# Altium PCB BMS_Carrier_Board.PcbDoc (part 1 of 2) (continued)
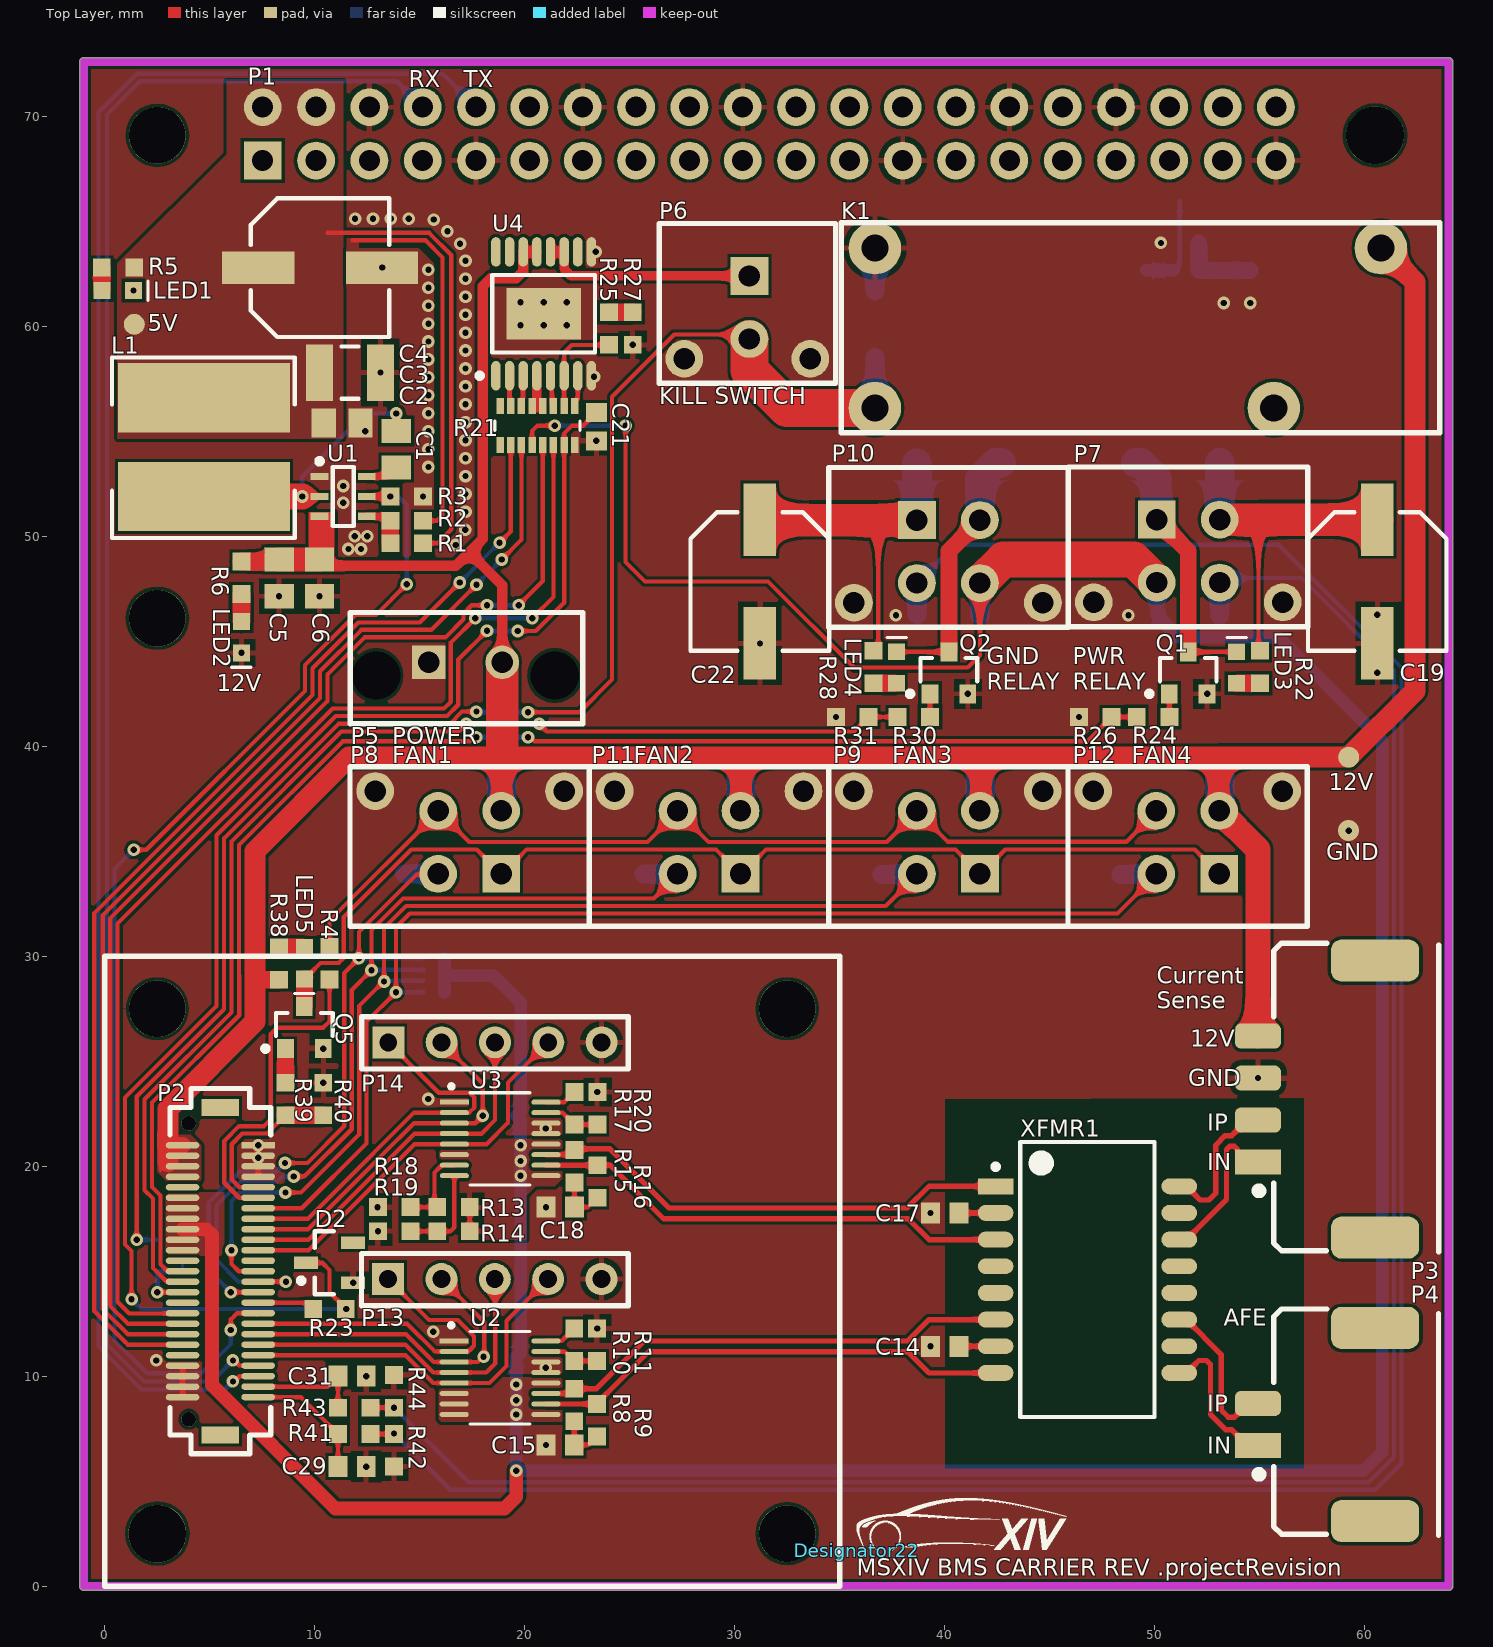
[diagram p0: Top Layer view]
## Components (designator, comment, footprint, x,y, rotation, side; value= is the part's Value field where it differs from the comment) (continued)
R7 "2K" "RES, 0603" 18.847,10.925 r180 bottom
R8 "62R" "RES, 0603" 22.357,8.63 r270 top
R9 "62R" "RES, 0603" 23.448,7.899 r270 top
R10 "RES 1.4k OHM 1% 1/10W 0603" "RES, 0603" 22.357,11.5 r270 top
R11 "RES 604 OHM 1% 1/10W 0603" "RES, 0603" 23.448,11.5 r90 top
R12 "2K" "RES, 0603" 18.825,22.4 r180 bottom
R13 "RES 0.0 OHM 1/4W 0603" "RES, 0603" 16.605,18.05 r180 top
R14 "RES 0.0 OHM 1/4W 0603" "RES, 0603" 16.605,16.9 r180 top
R15 "62R" "RES, 0603" 22.364,20.005 r270 top
R16 "62R" "RES, 0603" 23.456,19.275 r270 top
R17 "RES 1.4k OHM 1% 1/10W 0603" "RES, 0603" 22.364,22.758 r270 top
R18 "RES 0.0 OHM 1/4W 0603" "RES, 0603" 13.785,18.05 r180 top
R19 "RES 0.0 OHM 1/4W 0603" "RES, 0603" 13.785,16.9 r180 top
R20 "RES 604 OHM 1% 1/10W 0603" "RES, 0603" 23.456,22.758 r90 top
R21 "RES ARRAY 4K7 OHM 5% 8RES" "RES ARRAY, 8 POS 1506" 20.605,55.273 r90 top
R22 "RES 4.7K OHM 1% 1/10W 0603" "RES, 0603" 55.023,43.775 r270 top
R23 "RES 0.0 OHM 1/4W 0603" "RES, 0603" 10.7,13.2 r0 top
R24 "RES 22.1 OHM 1% 1/10W 0603" "RES, 0603" 49.925,41.4 r0 top
R25 "RES 3.3K OHM 1% 1/4W 0603" "RES, 0603" 24.004,59.9 r90 top
R26 "RES 10K OHM 1% 1/10W 0603" "RES, 0603" 47.175,41.4 r180 top
R27 "2K" "RES, 0603" 25.14,59.9 r270 top
R28 "RES 4.7K OHM 1% 1/10W 0603" "RES, 0603" 36.603,43.775 r270 top
R29 "RES 10 OHM 1% 16W 2512" RES2512 50.3,57.3 r180 bottom
R30 "RES 22.1 OHM 1% 1/10W 0603" "RES, 0603" 38.525,41.4 r0 top
R31 "RES 10K OHM 1% 1/10W 0603" "RES, 0603" 35.6,41.4 r180 top
R32 "RES 26.1K OHM 1% 1/10W 0603" "RES, 0603" 2.445,15.725 r270 bottom
R33 "RES 100K OHM 5% 1/8W 0603" "RES, 0603" 50.9,61.89 r270 bottom
R34 "RES 100K OHM 5% 1/8W 0603" "RES, 0603" 52.1,61.89 r90 bottom
R35 "RES 10K OHM 1% 1/10W 0603" "RES, 0603" 3.7,15.775 r90 bottom
R36 "RES 100K OHM 5% 1/8W 0603" "RES, 0603" 53.29,61.89 r270 bottom
R37 "10K" "RES ARRAY 4 POS 0804" 14.675,28.839 r180 bottom
R38 "RES 4.7K OHM 1% 1/10W 0603" "RES, 0603" 8.299,29.655 r90 top
R39 "RES 22.1 OHM 1% 1/10W 0603" "RES, 0603" 8.6,23.2 r270 top
R40 "RES 10K OHM 1% 1/10W 0603" "RES, 0603" 10.4,23.2 r90 top
R41 "1K" "RES, 0603" 11.875,7.241 r0 top
R42 "RES 10K OHM 1% 1/10W 0603" "RES, 0603" 13.775,6.466 r270 top
R43 "1K" "RES, 0603" 11.875,8.5 r0 top
R44 "RES 10K OHM 1% 1/10W 0603" "RES, 0603" 13.775,9.275 r90 top
U1 "IC REG BUCK 4.5V TO 17V, 5A, SYNCHRONOUS STE" "IC REG BUCK 4.5V TO 17V, 5A" 11.35,51.9 r0 top
U2 "IC ISOSPI COMM INTERFACE LTC6820IMS#3ZZPBF" "IC ISOSPI INTERFACE LTC6820 MSOP" 18.822,9.925 r0 top
U3 "IC ISOSPI COMM INTERFACE LTC6820IMS#3ZZPBF" "IC ISOSPI INTERFACE LTC6820 MSOP" 18.83,21.3 r0 top
U4 "296-45179-1-ND" "IC HSD DUAL-CHANNEL TSOP65P640X120_HS-17N" 20.9,60.6 r90 top
XFMR1 "IC PULSE XFMR 1CT:1CT 350UH SMD" "IC, PULSE XFMR 1CT:1CT 350UH SMD" 46.8,14.6 r0 top

## Footprints (in the part's own frame and the unit in brackets; to place one, negate y for a bottom-side part, rotate by r counter-clockwise, add the part's x,y. Pads: shape width x height; smd on the part's side, far side on the other; paste and mask are expansions set on the pad)
1210 [mm]
  rect 1.3x2.7 smd: 1(-1.441,-0.01) 2(1.459,-0.01)
  silkscreen extent -0.39,-1.26 0.41,1.24, body extent -1.69,-1.36 1.71,1.34, height 1.5
"CAP ALUM 6.3MM RADIAL SMD" [mm] "Aluminum Electrolytic Capacitor, Body 6.50x6.50x5.50mm, IPC Low Density"
  rect 3.45x1.55 smd: 1(-2.95,0) 2(2.95,0)
  silkscreen extent -3.3,-3.3 3.3,3.3, body extent -3.9,-3.3 3.9,3.3, height 5.5
"CAP, 0603" [mm] "Chip Capacitor, 2-Leads, Body 1.60x0.81mm, IPC Medium Density"
  rect 0.9x1 smd mask+0.076: 1(-0.675,0) 2(0.675,0)
  body extent -0.87,-0.48 0.88,0.48, height 0.9
"CAP, 0805" [mm] "Chip Capacitor, 2-Leads, Body 2.00x1.25mm, IPC Medium Density"
  rect 1.15x1.4 smd: 1(-0.875,0) 2(0.875,0)
  body extent -1,-0.63 1,0.63, height 1.25
"CAP, 1206" [mm] "Chip Capacitor, 2-Leads, Body 3.20x1.60mm, IPC Medium Density"
  rect 1.4x1.8 smd: 1(-1.375,0) 2(1.375,0)
  silkscreen extent -0.3,-0.8 0.3,0.8, body extent -1.68,-0.87 1.67,0.87, height 1.8
"CONN 40POS RECEPTACLE 2.54 MM" [mm] "gpio header for raspberry pi"
  rect 1.8x1.8 hole 1: 1(0,0)
  round 1.8 hole 1: 2(0,2.54) 3(2.54,0) 4(2.54,2.54) 5(5.08,0) 6(5.08,2.54) 7(7.62,0) 8(7.62,2.54) 9(10.16,0) 10(10.16,2.54) 11(12.7,0) 12(12.7,2.54) 13(15.24,0) 14(15.24,2.54) 15(17.78,0) 16(17.78,2.54) 17(20.32,0) 18(20.32,2.54) 19(22.86,0) 20(22.86,2.54) 21(25.4,0) 22(25.4,2.54) 23(27.94,0) 24(27.94,2.54) 25(30.48,0) 26(30.48,2.54) 27(33.02,0) 28(33.02,2.54) 29(35.56,0) 30(35.56,2.54) 31(38.1,0) 32(38.1,2.54) 33(40.64,0) 34(40.64,2.54) 35(43.18,0) 36(43.18,2.54) 37(45.72,0) 38(45.72,2.54) 39(48.26,0) 40(48.26,2.54)
  body extent -2.02,-1.28 49.5,4.52, height 2.55
"CONN, 2POS DURA-CLICK VERTICAL" [mm] "WM7169CT-ND"
  rect 1.2x2.2 smd: 1(0,0)
  rrect50% 1.2x2.2 smd: 2(2,0)
  rrect50% 2x4.2 smd: 3(-3.6,-5.58) 3(5.6,-5.58)
  silkscreen extent -4.28,-8.6 6.5,0.05, body extent -4.45,-8.63 6.45,0.52, height 8
"CONN, 2POS MICRO-FIT" [mm]
  round 1.8 hole 1.02 mask+0.102: 0(-3,3.94) 0(3,3.94)
  rect 1.8x1.8 hole 1.02: 1(-0.1,0)
  round 1.8 hole 1.02: 2(-0.1,3)
  silkscreen extent -4.2,-2.5 4.2,5.1, body extent -3.67,-2.47 3.48,6.3, height 9.95
"CONN, 2POS ULTRA-FIT" [mm] "2 Positions Header, Shrouded Connector 0.138\" (3.50mm) Through Hole Gold"
  rect 1.6x1.6 hole 1.02: 1(0,0)
  round 1.6 hole 1.02: 2(3.5,0)
  round 1.6 hole 2.3: ""(-2.5,-0.63) ""(6,-0.63)
  silkscreen extent -3.74,-2.93 7.33,2.37, body extent -3.48,-2.87 7.12,5.79, height 13.85
"CONN, 4POS DURA-CLIK VERT" [mm]
  rect 1.2x2.2 smd: 1(0,0)
  rrect50% 1.2x2.2 smd: 2(2,0) 3(4,0) 4(6,0)
  rrect50% 2x4.2 smd: 7(-3.6,-5.58) 7(9.6,-5.58)
  silkscreen extent -4.28,-8.61 10.42,0.05, body extent -4.28,-8.61 10.32,0.54, height 8
"CONN, 4POS MICRO-FIT" [mm]
  round 1.8 hole 1.02 mask+0.102: 0(-9.4,4.2) 0(-0.4,4.2)
  rect 1.8x1.8 hole 1.02: 1(-3.4,0.26)
  round 1.8 hole 1.02: 2(-6.4,0.26) 3(-3.4,3.26) 4(-6.4,3.26)
  silkscreen extent -10.6,-2.24 0.8,5.36, body extent -10.05,-2.18 0.1,6.59, height 9.95
"CONN, 5POS HEADR 0.1\"" [mil]
  rect 60x60 hole 33.46: 1(0,0)
  round 60 hole 33.46: 2(100,0) 3(200,0) 4(300,0) 5(400,0)
  silkscreen extent -50,-50 450,48, body extent -50,-50 450,48, height 335
"CONN, BERGSTAK 50 POS PLUG" [mm] "Bergstak 50 Position Plug"
  rect 1.6x0.3 smd: 1(1.8,6)
  oval 1.6x0.3 smd: 2(1.8,5.5) 3(1.8,5) 4(1.8,4.5) 5(1.8,4) 6(1.8,3.5) 7(1.8,3) 8(1.8,2.5) 9(1.8,2) 10(1.8,1.5) 11(1.8,1) 12(1.8,0.5) 13(1.8,0) 14(1.8,-0.5) 15(1.8,-1) 16(1.8,-1.5) 17(1.8,-2) 18(1.8,-2.5) 19(1.8,-3) 20(1.8,-3.5) 21(1.8,-4) 22(1.8,-4.5) 23(1.8,-5) 24(1.8,-5.5) 25(1.8,-6) 26(-1.8,-6) 27(-1.8,-5.5) 28(-1.8,-5) 29(-1.8,-4.5) 30(-1.8,-4) 31(-1.8,-3.5) 32(-1.8,-3) 33(-1.8,-2.5) 34(-1.8,-2) 35(-1.8,-1.5) 36(-1.8,-1) 37(-1.8,-0.5) 38(-1.8,0) 39(-1.8,0.5) 40(-1.8,1) 41(-1.8,1.5) 42(-1.8,2) 43(-1.8,2.5) 44(-1.8,3) 45(-1.8,3.5) 46(-1.8,4) 47(-1.8,4.5) 48(-1.8,5) 49(-1.8,5.5) 50(-1.8,6)
  round 0.7 hole 0.7: ""(-1.5,-7.05) ""(-1.5,7.05)
  rect 1.8x0.8 smd: ""(0,-7.8) ""(0,7.8)
  silkscreen extent -2.4,-8.7 2.4,8.7, body extent -2.3,-7.75 2.3,7.75, height 4.2
"DIODE GEN PURP 100V 300MA SOD123" [mm] "Diode Standard 100V 300mA (DC) Surface Mount SOD-123"
  rect 0.9x0.95 smd: 1(1.58,0) 2(-1.58,0)
  silkscreen extent -2.5,-0.6 -2.5,0.6, body extent -1.85,-0.77 1.85,0.78, height 1.23
"DIODE, SMA" [mm]
  rect 2.5x1.7 smd: 1(0,0) 2(4,0)
  silkscreen extent -0.25,-1.65 6,1.65, body extent -0.69,-1.45 4.59,1.47, height 2.41
"IC HSD DUAL-CHANNEL TSOP65P640X120_HS-17N" [mm] "TSOP, 16-Leads, Body 5.00x4.40mm, Pitch 0.65mm, Thermal Pad 3.55x2.46mm, IPC Medium Density"
  oval 1.4x0.45 smd: 1(-2.95,2.275) 2(-2.95,1.625) 3(-2.95,0.975) 4(-2.95,0.325) 5(-2.95,-0.325) 6(-2.95,-0.975) 7(-2.95,-1.625) 8(-2.95,-2.275) 9(2.95,-2.275) 10(2.95,-1.625) 11(2.95,-0.975) 12(2.95,-0.325) 13(2.95,0.325) 14(2.95,0.975) 15(2.95,1.625) 16(2.95,2.275)
  rect 2.46x3.55 smd: 17(0,0)
  silkscreen extent -3.07,-2.45 1.85,3.17, body extent -3.2,-2.45 3.2,2.45, height 1.2
"IC ISOSPI INTERFACE LTC6820 MSOP" [mil]
  rect 54.56x9.43 smd paste+0 mask+0: 1(-86,68.95)
  oval 54.56x9.43 smd paste+0 mask+0: 2(-86,49.25) 3(-86,29.55) 4(-86,9.85) 5(-86,-9.85) 6(-86,-29.55) 7(-86,-49.25) 8(-86,-68.95) 9(86,-68.95) 10(86,-49.25) 11(86,-29.55) 12(86,-9.85) 13(86,9.85) 14(86,29.55) 15(86,49.25) 16(86,68.95)
  silkscreen extent -95,-86 56,102
"IC REG BUCK 4.5V TO 17V, 5A" [mm] "Buck Switching Regulator IC Positive Adjustable 0.6V 1 Output 5A SOT-23-6 Thin, TSOT-23-6"
  rect 0.85x0.35 smd: 1(-1.125,0.95) 2(-1.125,0) 3(-1.125,-0.95) 4(1.125,-0.95) 5(1.125,0) 6(1.125,0.95)
  silkscreen extent -1.25,-1.4 0.5,1.8, body extent -1.53,-1.38 1.53,1.38, height 1.1
"IC, PULSE XFMR 1CT:1CT 350UH SMD" [mm] "PULSE XFMR 1CT:1CT 350UH SMD"
  rect 1.7x0.76 smd: 1(-4.375,4.445)
  oval 1.7x0.76 smd: 2(-4.375,3.175) 3(-4.375,1.905) 4(-4.375,0.635) 5(-4.375,-0.635) 6(-4.375,-1.905) 7(-4.375,-3.175) 8(-4.375,-4.445) 9(4.375,-4.445) 10(4.375,-3.175) 11(4.375,-1.905) 12(4.375,-0.635) 13(4.375,0.635) 14(4.375,1.905) 15(4.375,3.175) 16(4.375,4.445)
  silkscreen extent -4.5,-6.55 3.2,6.55, body extent -4.65,-6.55 4.65,6.55, height 5.9
"IND 3.3UH 5.2A 20 MOHM SMD VLP8040" [mm] "IND 3.3UH 5.2A 20 MOHM SMD"
  rect 3.3x8.2 smd: 1(0,0) 2(4.7,0)
  silkscreen extent -1.97,-4.32 6.63,4.38, body extent -1.62,-4.67 6.98,3.93, height 4.1
LED_0603 [mm]
  rect 0.8x0.8 smd: 1(-0.05,0.01) 2(1.45,0.01)
  silkscreen extent 2.13,-0.46 2.13,0.45, body extent -0.09,-0.39 1.51,0.41, height 0.8
"MOSFET N-CH 30V 6.2A 0.9W SOT-23" [mm] "SOT23, 3-Leads, Body 2.90x2.40mm, Pitch 0.90mm, IPC Medium Density"
  rect 0.9x0.8 smd: 1(-1,0.9) 2(-1,-0.9) 3(1,0)
  silkscreen extent -1.12,-1.35 0.7,1.97, body extent -1.25,-1.5 1.25,1.5, height 1.1
"MSXIV Logo SMALL" [mm]
  silkscreen extent 0,0 10,2.49
P-MOSFET [mm] "SOT23, 6-Leads, Body 2.93x2.80mm, Pitch 0.95mm, IPC Medium Density"
  rect 1x0.6 smd mask+0.076: 1(-1.365,0.95) 2(-1.365,0) 3(-1.365,-0.95) 4(1.365,-0.95) 5(1.365,0) 6(1.365,0.95)
  silkscreen extent -1.49,-1.5 0.45,1.92, body extent -1.5,-1.52 1.5,1.51, height 1.25
"RELAY SPST 8A 12VDC" [mm]
  round 2.5 hole 1.3: 1(1.6,1.19) 2(20.6,1.19) 3(25.7,8.81) 5(1.6,8.81)
  silkscreen extent 0,0.01 28.5,10.01, body extent 0,0.01 28.5,10.01, height 15
RES2512 [mm]
  rect 2.45x3.7 smd: 1(-2.575,0) 2(2.575,0)
  silkscreen extent -2.05,-1.75 2.05,1.75, body extent -3.18,-1.67 3.17,1.68, height 0.65
"RES ARRAY 4 POS 0804" [mm] "Panasonic Electronic Components EXB-N8V511JX"
  rect 0.5x0.35 smd: 1(-1.5,1.05) 4(-1.5,-0.55) 5(-0.5,-0.55) 8(-0.5,1.05)
  rect 0.5x0.25 smd: 2(-1.5,0.5) 3(-1.5,0) 6(-0.5,0) 7(-0.5,0.5)
  silkscreen extent -1.22,-0.82 -0.77,1.33, body extent -1.5,-0.75 -0.5,1.25, height 0.36
"RES ARRAY, 8 POS 1506" [mil]
  rect 30x14 smd: 1(-36.5,70) 2(-36.5,50) 3(-36.5,30) 4(-36.5,10) 5(-36.5,-10) 6(-36.5,-30) 7(-36.5,-50) 8(-36.5,-70) 9(36.5,-70) 10(36.5,-50) 11(36.5,-30) 12(36.5,-10) 13(36.5,10) 14(36.5,30) 15(36.5,50) 16(36.5,70)
  silkscreen extent -9,-80 9,80, body extent -21,-77 21,77, height 18
"RES, 0603" [mm] "Chip Resistor, 2-Leads, Body 1.60x0.80mm, IPC Medium Density"
  rect 0.85x0.85 smd: 1(-0.775,0) 2(0.775,0)
  body extent -0.8,-0.4 0.8,0.4, height 0.55
SOT23 [mm] "SOT23, 3-Leads, Body 2.9x1.3mm, Pitch 0.95mm, Lead Span 2.3mm - Reverse Pinning, IPC Medium Density"
  rect 1.15x0.6 smd: 1(1.125,0) 2(-1.125,-0.95) 3(-1.125,0.95)
  silkscreen extent -0.2,-1.5 1.47,1.5, body extent -0.7,-1.5 0.7,1.5, height 1.1

## Part data
C1 C2 C6: "0.1礔 ?0% 100V Ceramic Capacitor X7R 0805 (2012 Metric)", Capacitance=0.1礔, Manufacturer 1="Murata Electronics North America", Manufacturer Part Number 1=GCM21BR72A104KA37L, Operating Temperature="-55癈 ~ 125癈", Package / Case="0805 (2012 Metric)", Ratings=AEC-Q200, Supplier Part Number 1=490-4789-1-ND, Temperature Coefficient=X7R, Tolerance=?0%, Voltage=100V, ComponentLink1Description=http://www.murata.com/~/media/webrenewal/support/library/catalog/products/capacitor/mlcc/c03e.ashx, ComponentLink1URL=http://www.murata.com/~/media/webrenewal/support/library/catalog/products/capacitor/mlcc/c03e.ashx, Height - Seated (Max)=-, Lead Spacing=-, Lead Style=-, Mounting Type="Surface Mount, MLCC", Packaging="Cut Tape (CT)", Part Status=Active, Size / Dimension="0.079\" L x 0.049\" W (2.00mm x 1.25mm)", Supplier 1=Digi-Key, Thickness (Max)="0.055\" (1.40mm)"
C3: "47礔 ?0% 6.3V Ceramic Capacitor X7R 1210 (3225 Metric)", Capacitance=47uF, Case/Package=1210, Case Code (Metric)=3225, Dielectric=X7R, Manufacturer=Murata, Manufacturer Part Number=GCJ32ER70J476KE01L, Max Operating Temperature=125癈, Min Operating Temperature=-55癈, Package Quantity=1000, Ratings=AEC-Q200, Supplier Part Number 1=490-10559-1-ND, Tolerance=10%, Voltage Rating=6.3V, Case Code (Imperial)=1210, Features="Soft Termination", Height=2.5mm, Lead Free="Lead Free", Length=0.126inch, Mount="Surface Mount", Packaging="Tape and Reel", Pricing 1="1 = 1.53000, 10 = 1.21200, 100 = 0.90890, 500 = 0.68670 (USD)", RoHS=Yes, Stock 1=191399, Supplier 1=Digi-Key, Termination=SMD/SMT, Thickness=0.11inch, Voltage Rating (DC)=6.3V, Weight=0.00388oz, Width=0.098inch
C4: library part "CAP ALUM 47UF 20% 35V SMD", "47礔 35V Aluminum Electrolytic Capacitors Radial, Can - SMD 1000 Hrs @ 85癈", Capacitance=47uF, Case/Package=Radial, Manufacturer=Panasonic, Manufacturer Part Number=EEE-1VA470WP, Max Operating Temperature=85癈, Min Operating Temperature=-40癈, Package Quantity=1, Ripple Current=70mA, Supplier Part Number 1=PCE3961CT-ND, Tolerance=20%, Voltage Rating=35V, ComponentLink1Description=https://datasheet.ciiva.com/2983/aba0000ce2-2983926.pdf, ComponentLink1URL=https://datasheet.ciiva.com/2983/aba0000ce2-2983926.pdf, ComponentLink2Description=https://datasheet.ciiva.com/2983/aba0000ce2-2983927.pdf, ComponentLink2URL=https://datasheet.ciiva.com/2983/aba0000ce2-2983927.pdf, ComponentLink3Description=https://datasheet.ciiva.com/14598/70255710-14598937.pdf, ComponentLink3URL=https://datasheet.ciiva.com/14598/70255710-14598937.pdf, ComponentLink4Description=https://datasheet.ciiva.com/15165/getdatasheetpartid-86239-15165868.pdf, ComponentLink4URL=https://datasheet.ciiva.com/15165/getdatasheetpartid-86239-15165868.pdf, ComponentLink5Description=https://datasheet.ciiva.com/16507/aba0000ce2-16507965.pdf, ComponentLink5URL=https://datasheet.ciiva.com/16507/aba0000ce2-16507965.pdf, ComponentLink6Description=https://datasheet.ciiva.com/30206/11aba0000ce2-30206253.pdf, ComponentLink6URL=https://datasheet.ciiva.com/30206/11aba0000ce2-30206253.pdf, Contact Plating=Tin, Diameter=6.3mm, Height=5.4mm, Height - Seated (Max)=0.213inch, Lead Free="Lead Free", Length=5.5mm, Life (Hours)=1000Hour, Mount="Surface Mount,PCB", Packaging="Tape and Reel", Pricing 1="1=0.38, 10=0.263, 100=0.1579, 500=0.11846 (USD)", Radiation Hardening=No, REACH SVHC=Unknown, Ripple Current (AC)=70mA, Stock 1=2820, Supplier 1=Digi-Key, Termination=SMD/SMT, Voltage Rating (DC)=35V
C5: "22礔 ?0% 35V Ceramic Capacitor X5R 0805 (2012 Metric)", Capacitance=22uF, Case/Package=0805, Case Code (Metric)=2012, Dielectric=X5R, Dielectric Material=Ceramic, Manufacturer=TDK, Manufacturer Part Number=C2012X5R1V226M125AC, Max Operating Temperature=85癈, Min Operating Temperature=-55癈, Package Quantity=2000, Supplier Part Number 1=445-14428-1-ND, Tolerance=20%, Voltage Rating=35V, Case Code (Imperial)=0805, ComponentLink1Description=https://product.tdk.com/info/en/catalog/spec/mlccspec_commercial_general_midvoltage_en.pdf, ComponentLink1URL=https://product.tdk.com/info/en/catalog/spec/mlccspec_commercial_general_midvoltage_en.pdf, Height=1.25mm, Lead Free="Lead Free", Length=0.079inch, Mount="Surface Mount", Packaging="Tape and Reel", Pricing 1="1 = 1.29000, 10 = 0.98100, 100 = 0.70190, 500 = 0.54338, 1000 = 0.46791 (USD)", REACH SVHC="No SVHC", RoHS=Yes, Stock 1=30, Supplier 1=Digi-Key, Termination=SMD/SMT, Thickness=0.057inch, Voltage Rating (DC)=35V, Weight=0.000194oz, Width=0.049inch
C7 C8 C9 C10 C11 C12 C15 C18 C30 C32: "10000pF ?% 50V Ceramic Capacitor U2J 0603 (1608 Metric)", Capacitance=10000pF, Manufacturer 1=KEMET, Manufacturer Part Number 1=C0603C103J5JAC7867, Operating Temperature="-55癈 ~ 125癈", Package / Case="0603 (1608 Metric)", Ratings=-, Supplier Part Number 1=399-13384-1-ND, Temperature Coefficient=U2J, Tolerance=?%, Voltage=50V, ComponentLink1Description=http://www.kemet.com/docfinder?Partnumber=C0603C103J5JAC7867, ComponentLink1URL=http://www.kemet.com/docfinder?Partnumber=C0603C103J5JAC7867, Failure Rate=-, Height - Seated (Max)=-, Lead Spacing=-, Lead Style=-, Mounting Type="Surface Mount, MLCC", Packaging="Cut Tape (CT)", Part Status=Active, Size / Dimension="0.063\" L x 0.032\" W (1.60mm x 0.80mm)", Supplier 1=Digi-Key, Thickness (Max)="0.034\" (0.87mm)"
C13 C16 C21 C29 C31: "0.10礔 ?0% 50V Ceramic Capacitor X7R 0603 (1608 Metric)", Capacitance=0.1礔, Manufacturer 1="AVX Corporation", Manufacturer Part Number 1=06035C104KAT2A, Operating Temperature="-55癈 ~ 125癈", Package / Case="0603 (1608 Metric)", Ratings=-, Supplier Part Number 1=478-5052-1-ND, Temperature Coefficient=X7R, Tolerance=?0%, Voltage=50V, ComponentLink1Description=http://datasheets.avx.com/X7RDielectric.pdf, ComponentLink1URL=http://datasheets.avx.com/X7RDielectric.pdf, Height - Seated (Max)=-, Lead Spacing=-, Lead Style=-, Mounting Type="Surface Mount, MLCC", Packaging="Cut Tape (CT)", Part Status=Active, Size / Dimension="0.063\" L x 0.032\" W (1.60mm x 0.81mm)", Supplier 1=Digi-Key, Thickness (Max)="0.035\" (0.90mm)"
C14 C17: library part "CAP CER 20PF 50V ?% C0G/NP0 0603", "20pF ?% 50V Ceramic Capacitor C0G, NP0 0603 (1608 Metric)", Capacitance=20pF, Manufacturer 1="Murata Electronics North America", Manufacturer Part Number 1=GRM1885C1H200JA01D, Operating Temperature="-55癈 ~ 125癈", Package / Case="0603 (1608 Metric)", Ratings=-, Supplier Part Number 1=490-1410-1-ND, Temperature Coefficient="C0G, NP0", Tolerance=?%, Voltage=50V, ComponentLink1Description=http://www.murata.com/~/media/webrenewal/support/library/catalog/products/capacitor/mlcc/c02e.ashx, ComponentLink1URL=http://www.murata.com/~/media/webrenewal/support/library/catalog/products/capacitor/mlcc/c02e.ashx, Height - Seated (Max)=-, Lead Spacing=-, Lead Style=-, Mounting Type="Surface Mount, MLCC", Packaging="Cut Tape (CT)", Part Status=Active, Size / Dimension="0.063\" L x 0.031\" W (1.60mm x 0.80mm)", Supplier 1=Digi-Key, Thickness (Max)="0.035\" (0.90mm)"
C19 C22: library part "CAP ALUM 47UF 20% 35V SMD", "47礔 35V Aluminum Electrolytic Capacitors Radial, Can - SMD 1000 Hrs @ 85癈", Capacitance=47uF, Case/Package=Radial, Manufacturer=Panasonic, Manufacturer Part Number=EEE-1VA470WP, Max Operating Temperature=85癈, Min Operating Temperature=-40癈, Package Quantity=1, Ripple Current=70mA, Tolerance=20%, Voltage Rating=35V, ComponentLink1Description=https://datasheet.ciiva.com/2983/aba0000ce2-2983926.pdf, ComponentLink1URL=https://datasheet.ciiva.com/2983/aba0000ce2-2983926.pdf, ComponentLink2Description=https://datasheet.ciiva.com/2983/aba0000ce2-2983927.pdf, ComponentLink2URL=https://datasheet.ciiva.com/2983/aba0000ce2-2983927.pdf, ComponentLink3Description=https://datasheet.ciiva.com/14598/70255710-14598937.pdf, ComponentLink3URL=https://datasheet.ciiva.com/14598/70255710-14598937.pdf, ComponentLink4Description=https://datasheet.ciiva.com/15165/getdatasheetpartid-86239-15165868.pdf, ComponentLink4URL=https://datasheet.ciiva.com/15165/getdatasheetpartid-86239-15165868.pdf, ComponentLink5Description=https://datasheet.ciiva.com/16507/aba0000ce2-16507965.pdf, ComponentLink5URL=https://datasheet.ciiva.com/16507/aba0000ce2-16507965.pdf, ComponentLink6Description=https://datasheet.ciiva.com/30206/11aba0000ce2-30206253.pdf, ComponentLink6URL=https://datasheet.ciiva.com/30206/11aba0000ce2-30206253.pdf, Contact Plating=Tin, Diameter=6.3mm, Height=5.4mm, Height - Seated (Max)=0.213inch, Lead Free="Lead Free", Length=5.5mm, Life (Hours)=1000Hour, Mount="Surface Mount,PCB", Packaging="Tape and Reel", Pricing 1="1=0.38, 10=0.263, 100=0.1579, 500=0.11846 (USD)", Radiation Hardening=No, REACH SVHC=Unknown, Ripple Current (AC)=70mA, Stock 1=2820, Supplier 1=Digi-Key, Termination=SMD/SMT, Voltage Rating (DC)=35V
C20 C23 C25 C26 C27 C28: library part "CAP CER 2.2UF 100V ?0% X7R 1206", "2.2礔 ?0% 100V Ceramic Capacitor X7R 1206 (3216 Metric)", Capacitance=2.2礔, Manufacturer 1="Murata Electronics North America", Manufacturer Part Number 1=GRM31CR72A225MA73L, Operating Temperature="-55癈 ~ 125癈", Package / Case="1206 (3216 Metric)", Ratings=-, Supplier Part Number 1=490-12773-1-ND, Temperature Coefficient=X7R, Tolerance=?0%, Voltage=100V, ComponentLink1Description=http://www.murata.com/~/media/webrenewal/support/library/catalog/products/capacitor/mlcc/c02e.ashx, ComponentLink1URL=http://www.murata.com/~/media/webrenewal/support/library/catalog/products/capacitor/mlcc/c02e.ashx, Height - Seated (Max)=-, Lead Spacing=-, Lead Style=-, Mounting Type="Surface Mount, MLCC", Packaging="Cut Tape (CT)", Part Status=Active, Size / Dimension="0.126\" L x 0.063\" W (3.20mm x 1.60mm)", Supplier 1=Digi-Key, Thickness (Max)="0.071\" (1.80mm)"
C24: "1礔 ?0% 50V Ceramic Capacitor X7R 0603 (1608 Metric)", Capacitance=1礔, Manufacturer 1="Taiyo Yuden", Manufacturer Part Number 1=UMK107AB7105KA-T, Operating Temperature="-55癈 ~ 125癈", Package / Case="0603 (1608 Metric)", Ratings=-, Supplier Part Number 1=587-3247-1-ND, Temperature Coefficient=X7R, Tolerance=?0%, Voltage=50V, ComponentLink1Description=http://www.yuden.co.jp/productdata/catalog/en/mlcc_all_e.pdf, ComponentLink1URL=http://www.yuden.co.jp/productdata/catalog/en/mlcc_all_e.pdf, Height - Seated (Max)=-, Lead Spacing=-, Lead Style=-, Mounting Type="Surface Mount, MLCC", Packaging="Cut Tape (CT)", Part Status=Active, Size / Dimension="0.063\" L x 0.031\" W (1.60mm x 0.80mm)", Supplier 1=Digi-Key, Thickness (Max)="0.037\" (0.95mm)"
D1 D3: "Diode Schottky 60V 3A Surface Mount SMA", Capacitance @ Vr, F="200pF @ 4V, 1MHz", Current - Average Rectified (Io)=3A, Current - Reverse Leakage @ Vr="500礎 @ 60V", Manufacturer 1="Diodes Incorporated", Manufacturer Part Number 1=B360A-13-F, Operating Temperature - Junction="-55癈 ~ 150癈", Package / Case="DO-214AC, SMA", Supplier Device Package=SMA, Supplier Part Number 1=B360A-FDICT-ND, Voltage - DC Reverse (Vr) (Max)=60V, Voltage - Forward (Vf) (Max) @ If="700mV @ 3A", ComponentLink1Description=https://www.diodes.com/assets/Datasheets/ds30891.pdf, ComponentLink1URL=https://www.diodes.com/assets/Datasheets/ds30891.pdf, Diode Type=Schottky, Mounting Type="Surface Mount", Packaging="Cut Tape (CT)", Part Status=Active, Speed="Fast Recovery =< 500ns, > 200mA (Io)", Supplier 1=Digi-Key
D2: "Zener Diode 3.3V 250mW ?.06% Surface Mount SSD3", Case/Package=TO-236-3, Manufacturer=Rohm, Manufacturer Part Number=BZX84C3V3LFHT116, Max Power Dissipation=250mW, Supplier Part Number 1=BZX84C3V3LFHT116CT-ND, Tolerance=6.06%, Zener Voltage=3.3V, ComponentLink1Description=http://www.farnell.com/datasheets/2328411.pdf?src-supplier=Farnell, ComponentLink1URL=http://www.farnell.com/datasheets/2328411.pdf?src-supplier=Farnell, ComponentLink2Description=http://rohmfs.rohm.com/en/techdata_basic/diode/taping/Taping_SSD3M_T116-e.pdf?src-supplier=Digi-Key, ComponentLink2URL=http://rohmfs.rohm.com/en/techdata_basic/diode/taping/Taping_SSD3M_T116-e.pdf?src-supplier=Digi-Key, ComponentLink3Description=https://www.rohm.com/datasheet/BZX84C3V3LFH/bzx84c3v3lfht116-e?src-supplier=Digi-Key, ComponentLink3URL=https://www.rohm.com/datasheet/BZX84C3V3LFH/bzx84c3v3lfht116-e?src-supplier=Digi-Key, Impedance=95R, Mount="Surface Mount", Packaging="Cut Tape", Pricing 1="1=0.13000, 10=0.12200, 25=0.11600, 100=0.06630, 250=0.04912, 500=0.04078, 1000=0.02781 (USD)", RoHS=No, Stock 1=2960, Supplier 1=Digi-Key